# KiCad board analog_frontend_panel.kicad_pcb (continued)
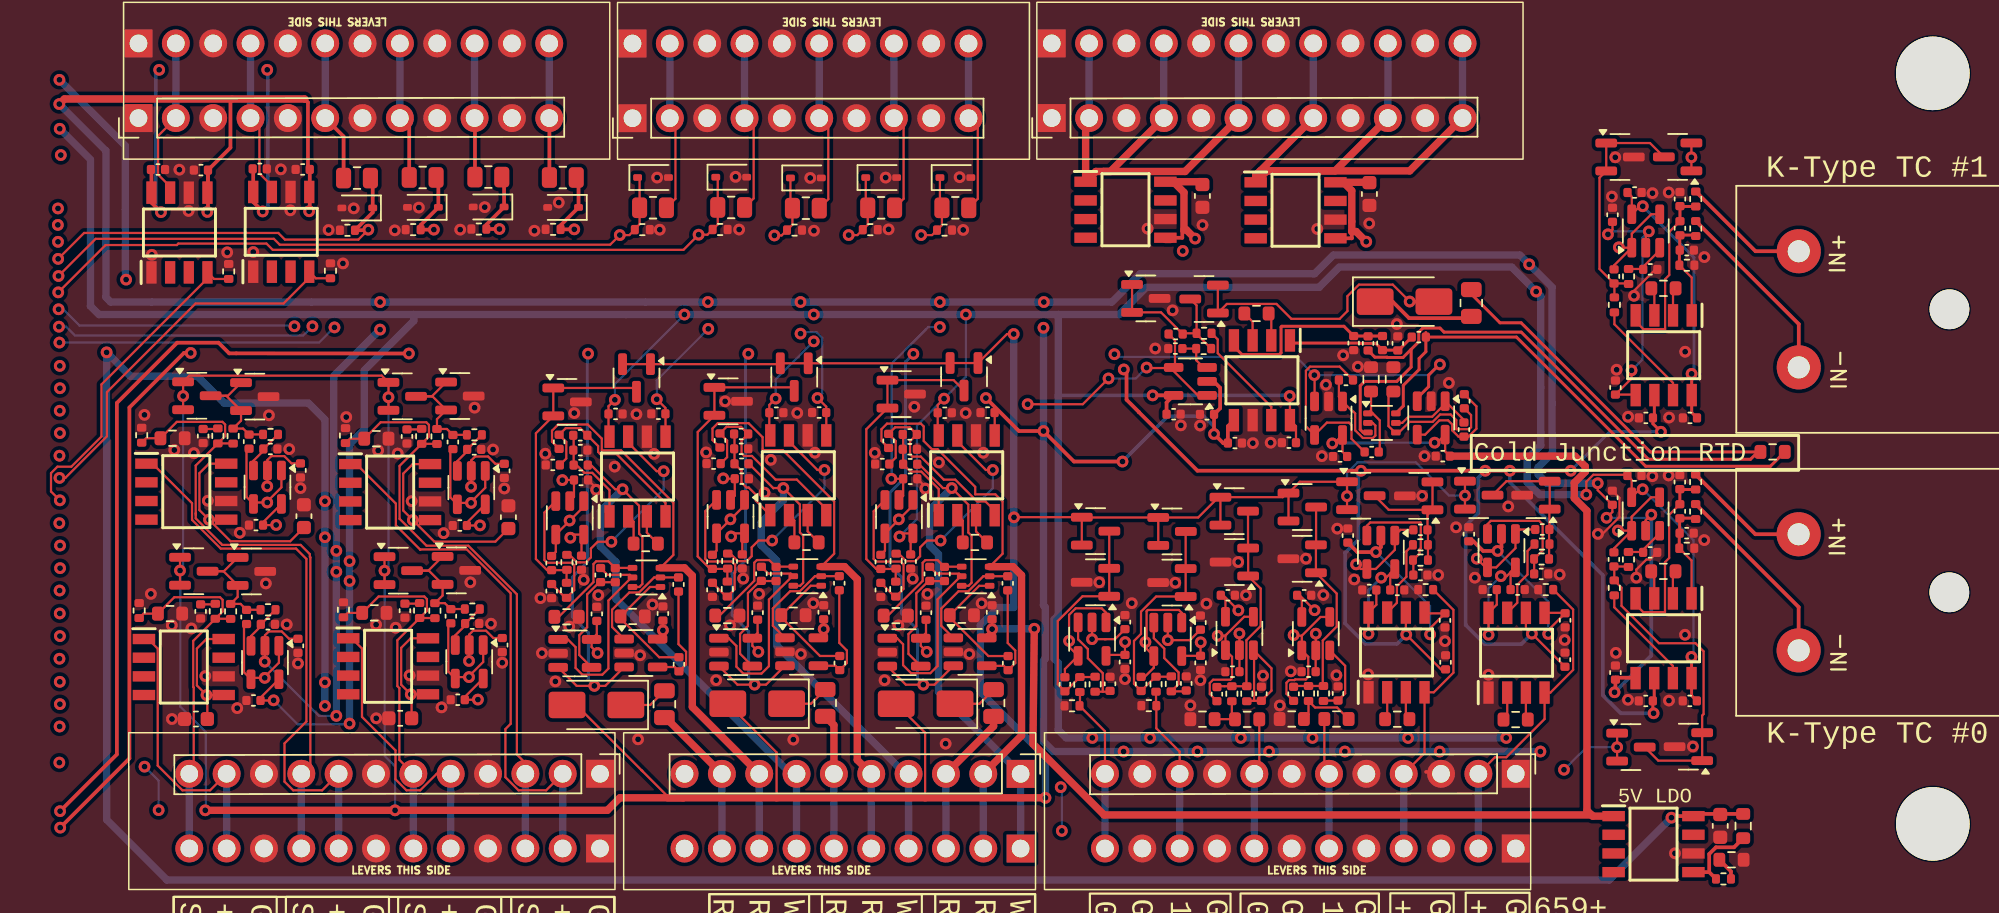
[diagram p0: board, top side]
## Library data of the parts (continued)
Q5001 Q5002 Q8001 Q8002 Q9001 Q9002 Q14001 Q14002 Q15001 Q15002 Q16001 Q16002 Q17001 Q17002 Q18001 Q18002 Q20001 Q20002 Q21001 Q21002 Q24001 Q24002 Q25001 Q25002 Q28001 Q28002 Q30001 Q30002 Q31001 Q31002 Q42001 Q42002 = -: Datasheet: https://www.onsemi.com/pub/Collateral/MMBFJ113-D.PDF; Description: 2mA min, 35V, 100mOhm max, 0.5-3V Vgs(off), N-Channel JFET, SOT-23; LCSC: C891686; ki_fp_filters: SOT?23*
R1 = -: Description: Resistor, small US symbol; LCSC: C141518; ki_fp_filters: R_*
R2 R7 = -: LCSC: C25077; ki_fp_filters: R_*
R3 R8 = -: Datasheet: C25077; ki_fp_filters: R_*
R4 R9 R41-R43 R50-R52 R59-R61 R68-R70 R10001 R11001 R12001 R13001 R19001 R22001 R26001 R27001 R27003 R31002 R32004 R33003 R34001 R37001 R38002 R39002 R39004 R40002 R42002 R44003 R44004 R45001 R45002 R46001 R46002 R47001 R47002 = -: ki_fp_filters: R_*
R6 R11 R40 R49 R58 R67 R23002 R31001 R45003 = -: LCSC: C346578; ki_fp_filters: R_*
R22 R24 R26 R28 = -: LCSC: C25087; ki_fp_filters: R_*
R23 R25 R27 R29 R32003 = -: LCSC: C2482496; ki_fp_filters: R_*
R44 R47 R53 R56 R62 R65 R71 R74 R23001 R45004 = -: LCSC: C2482678; ki_fp_filters: R_*
R1001 R5001 R5002 R8001 R8002 R9001 R9002 = -: LCSC: C25744; ki_fp_filters: R_*
R1002 = -: Description: Resistor, small symbol; LCSC: C23196; ki_fp_filters: R_*
R1003 = -: Description: Resistor, small symbol; LCSC: C23351; ki_fp_filters: R_*
R14001 R14002 R20001 R20002 = -: LCSC: C25741; ki_fp_filters: R_*
R15001 R15002 R16001 R16002 R17001 R17002 R18001 R18002 R21001 R21002 R24001 R24002 R25001 R25002 R30001 R30002 R32001 R32002 R33001 R33002 R44001 R44002 = -: LCSC: C25890; ki_fp_filters: R_*
R19002 R26002 R27002 R33004 R38001 R39001 R39003 R40001 R42001 = -: LCSC: C17720; ki_fp_filters: R_*
U1-U4 = -: LCSC: C190019
U5001 U8001 U9001 U14002 U15001 U16001 U17001 U18001 U20002 U21001 U24001 U25001 U28001 U30001 U31001 U42002 = -: Datasheet: http://www.ti.com/lit/ds/symlink/opa4196.pdf; Description: Single, Low-Power, Low Offset Voltage, Rail-to-Rail Operational Amplifier, SOT-23-5; ki_fp_filters: SOT?23*

## Footprints (pads in the part's own frame, mm; a bottom-side part is the same pattern mirrored in y, then rotated)
AM-K-PCB
  round 2.7 hole 2.7 unplated: (0,-4)
  round 3 hole 1.5: 1(3.95,-14.25) 2(-3.95,-14.25)
C_0402_1005Metric
  rrect 0.56x0.62 smd: 1(-0.48,0) 2(0.48,0)
C_0603_1608Metric
  rrect 0.9x0.95 smd: 1(-0.775,0) 2(0.775,0)
D_SMA
  rrect 2.5x1.8 smd: 1(-2,0) 2(2,0)
D_SOD-323
  rrect 0.6x0.45 smd: 1(-1.05,0) 2(1.05,0)
KF141V-2.54-10P
  rect 1.9x1.9 hole 1.2: 1(0,0) 1(5.08,0)
  oval 1.9x1.9 hole 1.2: 2(0,-2.54) 2(5.08,-2.54) 3(0,-5.08) 3(5.08,-5.08) 4(0,-7.62) 4(5.08,-7.62) 5(0,-10.16) 5(5.08,-10.16) 6(0,-12.7) 6(5.08,-12.7) 7(0,-15.24) 7(5.08,-15.24) 8(0,-17.78) 8(5.08,-17.78) 9(0,-20.32) 9(5.08,-20.32) 10(0,-22.86) 10(5.08,-22.86)
KF141V-2.54-12P
  rect 1.9x1.9 hole 1.2: 1(0,0) 1(5.08,0)
  oval 1.9x1.9 hole 1.2: 2(0,-2.54) 2(5.08,-2.54) 3(0,-5.08) 3(5.08,-5.08) 4(0,-7.62) 4(5.08,-7.62) 5(0,-10.16) 5(5.08,-10.16) 6(0,-12.7) 6(5.08,-12.7) 7(0,-15.24) 7(5.08,-15.24) 8(0,-17.78) 8(5.08,-17.78) 9(0,-20.32) 9(5.08,-20.32) 10(0,-22.86) 10(5.08,-22.86) 11(0,-25.4) 11(5.08,-25.4) 12(0,-27.94) 12(5.08,-27.94)
MountingHole_5mm
  round 5 hole 5 unplated: (0,0)
R_0402_1005Metric
  rrect 0.54x0.64 smd: 1(-0.51,0) 2(0.51,0)
R_0603_1608Metric
  rrect 0.8x0.95 smd: 1(-0.825,0) 2(0.825,0)
R_0805_2012Metric
  rrect 1.025x1.4 smd: 1(-0.912,0) 2(0.912,0)
SOIC127P600X175-8N
  rect 1.525x0.7 smd: 1(-2.712,1.905) 2(-2.712,0.635) 3(-2.712,-0.635) 4(-2.712,-1.905) 5(2.712,-1.905) 6(2.712,-0.635) 7(2.712,0.635) 8(2.712,1.905)
SOT-23
  rrect 1.475x0.6 smd: 1(-0.938,0.95) 2(-0.938,-0.95) 3(0.938,0)
SOT-23-5
  rrect 1.325x0.6 smd: 1(-1.137,0.95) 2(-1.137,0) 3(-1.137,-0.95) 4(1.137,-0.95) 5(1.137,0.95)
SOT-363_SC-70-6
  rrect 0.65x0.4 smd: 1(-0.95,0.65) 2(-0.95,0) 3(-0.95,-0.65) 4(0.95,-0.65) 5(0.95,0) 6(0.95,0.65)

## Nets
+1V024: C6.2 C12.2 C33006.2 C34003.2 IC1.6 IC2.6 IC31001.6 IC32002.6
+2V5: IC13.3 IC14.3 IC16.3 IC17.3 IC19.3 IC20.3 IC22.3 IC23.3
+3V3: C1003.2 D7.2 D8.2 D9.2 D10.2 IC1001.5 IC1001.8 Q5001.1 Q5001.2 Q8001.1 Q8001.2 Q9001.1 Q9001.2 Q14001.1 Q14001.2 Q15001.1 Q15001.2 Q16001.1 Q16001.2 Q17001.1 Q17001.2 Q18001.1 Q18001.2 Q20001.1 Q20001.2 Q21001.1 Q21001.2 Q24001.1 Q24001.2 Q25001.1 Q25001.2 Q28001.1 Q28001.2 Q30001.1 Q30001.2 Q31001.1 Q31001.2 Q42001.1 Q42001.2
+5V: C55.1 C58.1 C66.1 C69.1 C77.1 C80.1 C88.1 C91.1 IC13.5 IC14.5 IC16.5 IC17.5 IC19.5 IC20.5 IC22.5 IC23.5 IC1002.1
+12V: C4.1 C10.1 C52.1 C63.1 C74.1 C85.1 C1002.2 C5003.2 C8003.2 C9003.2 C14003.2 C15003.2 C16003.2 C17003.2 C18003.2 C20003.2 C21003.2 C24003.2 C25003.2 C28001.2 C30003.2 C31001.2 C31002.2 C32005.2 C34002.2 C37001.2 C42002.2 IC1.8 IC2.8 IC12.8 IC15.8 IC18.8 IC21.8 IC1003.5 IC1003.8 IC31001.8 IC32002.8 IC34002.8 IC37001.8 U5001.5 U8001.5 U9001.5 U14002.5 U15001.5 U16001.5 U17001.5 U18001.5 U20002.5 U21001.5 U24001.5 U25001.5 U28001.5 U30001.5 U31001.5 U42002.5
+24V: C1001.2 C10001.2 C11001.2 C12001.2 C13001.2 IC1002.8 IC32001.5 IC32001.8 IC33001.5 IC33001.8 IC34001.5 IC34001.8 IC35001.5 IC35001.8 R1003.2
-12V: C5004.2 C6001.2 C7001.2 C8004.2 C9004.2 C14004.2 C15004.2 C16004.2 C17004.2 C18004.2 C20004.2 C21004.2 C24004.2 C25004.2 C28002.2 C30004.2 C31003.2 C32006.2 C33007.2 C34004.2 C39003.2 C42003.2 C44004.1 C45002.1 C46001.1 C47001.1 IC1.5 IC2.5 IC12.5 IC15.5 IC18.5 IC21.5 IC31001.5 IC32002.5 IC34002.5 IC37001.5 U5001.2 U8001.2 U9001.2 U14002.2 U15001.2 U16001.2 U17001.2 U18001.2 U20002.2 U21001.2 U24001.2 U25001.2 U28001.2 U30001.2 U31001.2 U42002.2
/ain_0-15V_1/sallen_key_3kHz8/VIN: R23001.1 R23002.1 R24001.1
/ain_0-15V_1/VIN: J1005.6 R23001.2
/ain_0-15V_/sallen_key_3kHz8/VIN: R44001.1 R45003.1 R45004.1
/ain_0-15V_/VIN: J1005.8 R45004.2
/ain_g1_1/VIN: J1005.10 R22001.1 R25001.1
/ain_g1_/VIN: J1005.12 R21001.1 R27003.1
/ain_g25p7_/sallen_key_1kHz2/VIN: IC31001.7 R9001.1
/ain_g25p7_/VIN: IC31001.4 J1005.4 R31002.1
/ain_g666p333_/sallen_key_100Hz1/VIN: IC32002.7 R14001.2
/ain_g666p333_/VIN: IC32002.4 J1005.2 R32004.1
/K-Type TC Amp1/sallen_key_1kHz/VIN: IC2.7 R8001.1
/K-Type TC Amp/sallen_key_1kHz/VIN: IC1.7 R5001.1
/pwm_in_buf1/VIN: J1003.2 R38001.1
/pwm_in_buf2/VIN: J1003.10 R39003.1
/pwm_in_buf3/VIN: J1003.8 R40001.1
/pwm_in_buf4/VIN: J1003.6 R42001.1
/pwm_in_buf/VIN: J1003.4 R39001.1
GND: C1.2 C3.2 C4.2 C6.1 C7.2 C9.2 C10.2 C12.1 C25.2 C28.2 C31.2 C34.2 C49.1 C51.2 C52.2 C55.2 C58.2 C60.1 C62.2 C63.2 C66.2 C69.2 C71.1 C73.2 C74.2 C77.2 C80.2 C82.1 C84.2 C85.2 C88.2 C91.2 C1001.1 C1002.1 C1003.1 C5001.1 C5003.1 C5004.1 C6001.1 C7001.1 C8001.1 C8003.1 C8004.1 C9001.1 C9003.1 C9004.1 C10001.1 C11001.1 C12001.1 C13001.1 C14001.1 C14003.1 C14004.1 C15001.1 C15003.1 C15004.1 C16001.1 C16003.1 C16004.1 C17001.1 C17003.1 C17004.1 C18001.1 C18003.1 C18004.1 C20001.1 C20003.1 C20004.1 C21001.1 C21003.1 C21004.1 C24001.1 C24003.1 C24004.1 C25001.1 C25003.1 C25004.1 C28001.1 C28002.1 C30001.1 C30003.1 C30004.1 C31001.1 C31002.1 C31003.1 C32002.1 C32005.1 C32006.1 C33002.1 C33006.1 C33007.1 C34002.1 C34003.1 C34004.1 C37001.1 C39003.1 C42002.1 C42003.1 C44001.1 C44004.2 C45002.2 C46001.2 C47001.2 D19001.2 D26001.2 D27001.2 D33001.2 D38001.2 D39001.2 D39002.2 D40001.2 D42001.2 IC12.6 IC13.2 IC14.2 IC15.6 IC16.2 IC17.2 IC18.6 IC19.2 IC20.2 IC21.6 IC22.2 IC23.2 IC1001.6 IC1002.6 IC1003.6 IC31001.1 IC32001.6 IC32002.1 IC33001.6 IC34001.6 IC34002.1 IC34002.6 IC35001.6 IC37001.1 IC37001.6 J1001.1 J1001.3 J1001.5 J1001.7 J1001.9 J1001.11 J1003.1 J1003.3 J1003.5 J1003.7 J1003.9 J1004.1 J1004.4 J1004.7 J1004.10 J1005.1 J1005.3 J1005.5 J1005.7 J1005.9 J1005.11 J1007.1 J1007.3 J1007.5 J1007.7 J1007.9 J1007.11 Q5002.3 Q8002.3 Q9002.3 Q14002.3 Q15002.3 Q16002.3 Q17002.3 Q18002.3 Q20002.3 Q21002.3 Q24002.3 Q25002.3 Q28002.3 Q30002.3 Q31002.3 Q42002.3 R4.2 R9.2 R23.1 R25.1 R27.1 R29.1 R44.2 R47.2 R53.2 R56.2 R62.2 R65.2 R71.2 R74.2 R1002.1 R10001.2 R11001.2 R12001.2 R13001.2 R19001.2 R22001.2 R23002.2 R26001.2 R27001.2 R27003.2 R31002.2 R32004.2 R33003.2 R34001.2 R37001.2 R38002.2 R39002.2 R39004.2 R40002.2 R42002.2 R45003.2
/4-20mA Frontend1/+24_EXC: IC33001.1 J1004.8
/4-20mA Frontend1/SIGNAL: J1004.9 R24.2 R25.2 R11001.1 R30001.1
/4-20mA Frontend2/+24_EXC: IC34001.1 J1004.5
/4-20mA Frontend2/SIGNAL: J1004.6 R26.2 R27.2 R12001.1 R32001.1
/4-20mA Frontend3/+24_EXC: IC35001.1 J1004.2
/4-20mA Frontend3/SIGNAL: J1004.3 R28.2 R29.2 R13001.1 R33001.1
/4-20mA Frontend/+24_EXC: IC32001.1 J1004.11
/4-20mA Frontend/SIGNAL: J1004.12 R22.2 R23.2 R10001.1 R16001.1
/AIN2: C20002.2 U20002.1 U20002.4
/AIN3: C16002.2 U16001.1 U16001.4
/AIN4: C30002.2 U28001.1 U28001.4
/AIN5: C32003.2 U30001.1 U30001.4
/AIN6: C33003.2 U31001.1 U31001.4
/AIN7: C15002.2 U15001.1 U15001.4
/AIN8: C17002.2 U17001.1 U17001.4
/AIN9: C18002.2 U18001.1 U18001.4
/AIN10: C5002.2 U5001.1 U5001.4
/AIN11: C8002.2 U8001.1 U8001.4
/AIN12: C21002.2 U21001.1 U21001.4
/AIN13_DAC0: IC37001.4 R37001.1
/AIN14_DAC1: IC34002.4 R34001.1
/AIN15: C25002.2 U25001.1 U25001.4
/AIN16: C44002.2 U42002.1 U42002.4
/AIN17: C24002.2 U24001.1 U24001.4
/AIN18: C9002.2 U9001.1 U9001.4
/AIN19: C14002.2 U14002.1 U14002.4
/COUNTER0: D42001.1 R42001.2 R42002.1
/dac_buf1/VOUT: IC34002.7 J1001.4
/dac_buf/VOUT: IC37001.7 J1001.2
/ENCODER0_0: D38001.1 R38001.2 R38002.1
/ENCODER0_1: D39001.1 R39001.2 R39002.1
/FREQ0: D40001.1 R40001.2 R40002.1
/FREQ1: D39002.1 R39003.2 R39004.1
/K-Type TC Amp1/Signal+: C7.1 C8.1 IC2.4 R7.2
/K-Type TC Amp1/Signal-: C8.2 C9.1 IC2.1 R8.1 R9.1
/K-Type TC Amp/Signal+: C1.1 C2.1 IC1.4 R2.2
/K-Type TC Amp/Signal-: C2.2 C3.1 IC1.1 R3.1 R4.1
/PWM0: D33001.1 R33003.1 R33004.1
/PWM1: D19001.1 R19001.1 R19002.1
/PWM2: D26001.1 R26001.1 R26002.1
/PWM3: D27001.1 R27001.1 R27002.1
/pwm_out_buf1/VOUT: J1001.8 R19002.2
/pwm_out_buf2/VOUT: J1001.10 R26002.2
/pwm_out_buf3/VOUT: J1001.12 R27002.2
/pwm_out_buf/VOUT: J1001.6 R33004.2
/RTD Amp1/R+: J1006.6 R59.2
/RTD Amp1/R-: J1006.5 R60.2 U3.3
/RTD Amp1/rtd_amp_inner/Signal+: C71.2 C72.1 IC18.4 R60.1
/RTD Amp1/rtd_amp_inner/Signal-: C72.2 C73.1 IC18.1 R61.1
/RTD Amp1/rtd_amp_inner/Vout: IC18.7 R17001.1
/RTD Amp1/W-: J1006.4 R61.2 U3.6
/RTD Amp2/R+: J1006.3 R68.2
/RTD Amp2/R-: J1006.2 R69.2 U4.3
/RTD Amp2/rtd_amp_inner/Signal+: C82.2 C83.1 IC21.4 R69.1
/RTD Amp2/rtd_amp_inner/Signal-: C83.2 C84.1 IC21.1 R70.1
/RTD Amp2/rtd_amp_inner/Vout: IC21.7 R18001.1
/RTD Amp2/W-: J1006.1 R70.2 U4.6
/RTD Amp/R+: J1006.9 R41.2
/RTD Amp/R-: J1006.8 R42.2 U1.3
/RTD Amp/rtd_amp_inner/Signal+: C49.2 C50.1 IC12.4 R42.1
/RTD Amp/rtd_amp_inner/Signal-: C50.2 C51.1 IC12.1 R43.1
/RTD Amp/rtd_amp_inner/Vout: IC12.7 R15001.1
/RTD Amp/W-: J1006.7 R43.2 U1.6
/rtd_amp_inner1/250uA_SINK_1: R1.1 R52.2 U2.6
/rtd_amp_inner1/250uA_SINK_2: R1.2 R50.2 R51.2 U2.3
/rtd_amp_inner1/Signal+: C60.2 C61.1 IC15.4 R51.1
/rtd_amp_inner1/Signal-: C61.2 C62.1 IC15.1 R52.1
/rtd_amp_inner1/Vout: IC15.7 R20002.2
Net-(C25-Pad1): C25.1 R22.1
Net-(C28-Pad1): C28.1 R24.1
Net-(C31-Pad1): C31.1 R26.1
Net-(C34-Pad1): C34.1 R28.1
Net-(D7-K): D7.1 R41.1
Net-(D8-K): D8.1 R50.1
Net-(D9-K): D9.1 R59.1
Net-(D10-K): D10.1 R68.1
Net-(IC1-RG_1): IC1.2 R6.1
Net-(IC1-RG_2): IC1.3 R6.2
Net-(IC2-RG_1): IC2.2 R11.1
Net-(IC2-RG_2): IC2.3 R11.2
Net-(IC12-RG_1): IC12.2 R40.1
Net-(IC12-RG_2): IC12.3 R40.2
Net-(IC13--IN): C45003.1 IC13.4 R45001.2
Net-(IC13-OUT): C45003.2 IC13.1 U1.2
Net-(IC14--IN): C45004.1 IC14.4 R45002.1
Net-(IC14-OUT): C45004.2 IC14.1 U1.5
Net-(IC15-RG_1): IC15.2 R49.1
Net-(IC15-RG_2): IC15.3 R49.2
Net-(IC16--IN): C44005.1 IC16.4 R44003.2
Net-(IC16-OUT): C44005.2 IC16.1 U2.2
Net-(IC17--IN): C44006.1 IC17.4 R44004.1
Net-(IC17-OUT): C44006.2 IC17.1 U2.5
Net-(IC18-RG_1): IC18.2 R58.1
Net-(IC18-RG_2): IC18.3 R58.2
Net-(IC19--IN): C46002.1 IC19.4 R46001.2
Net-(IC19-OUT): C46002.2 IC19.1 U3.2
Net-(IC20--IN): C46003.1 IC20.4 R46002.1
Net-(IC20-OUT): C46003.2 IC20.1 U3.5
Net-(IC21-RG_1): IC21.2 R67.1
Net-(IC21-RG_2): IC21.3 R67.2
Net-(IC22--IN): C47002.1 IC22.4 R47001.2
Net-(IC22-OUT): C47002.2 IC22.1 U4.2
Net-(IC23--IN): C47003.1 IC23.4 R47002.1
Net-(IC23-OUT): C47003.2 IC23.1 U4.5
Net-(IC1001-VO): IC1001.1 J1007.2 J1007.4 J1007.6
Net-(IC1002-ADJ_/_EN): IC1002.5 R1001.1 R1003.1
Net-(IC1003-VO): IC1003.1 J1007.8 J1007.10 J1007.12
Net-(IC31001-RG_1): IC31001.2 R31001.1
Net-(IC31001-RG_2): IC31001.3 R31001.2
Net-(IC32002-RG_1): IC32002.2 R32003.1
Net-(IC32002-RG_2): IC32002.3 R32003.2
Net-(J12-Pin_1): J12.1 R3.2
Net-(J12-Pin_2): J12.2 R2.1
Net-(J13-Pin_1): J13.1 R8.2
Net-(J13-Pin_2): J13.2 R7.1
Net-(Q5001-G): C5002.1 Q5001.3 Q5002.1 Q5002.2 R5001.2 R5002.1
Net-(Q8001-G): C8002.1 Q8001.3 Q8002.1 Q8002.2 R8001.2 R8002.1
Net-(Q9001-G): C9002.1 Q9001.3 Q9002.1 Q9002.2 R9001.2 R9002.1
Net-(Q14001-G): C14002.1 Q14001.3 Q14002.1 Q14002.2 R14001.1 R14002.2
Net-(Q15001-G): C15002.1 Q15001.3 Q15002.1 Q15002.2 R15001.2 R15002.1
Net-(Q16001-G): C16002.1 Q16001.3 Q16002.1 Q16002.2 R16001.2 R16002.1
Net-(Q17001-G): C17002.1 Q17001.3 Q17002.1 Q17002.2 R17001.2 R17002.1
Net-(Q18001-G): C18002.1 Q18001.3 Q18002.1 Q18002.2 R18001.2 R18002.1
Net-(Q20001-G): C20002.1 Q20001.3 Q20002.1 Q20002.2 R20001.2 R20002.1
Net-(Q21001-G): C21002.1 Q21001.3 Q21002.1 Q21002.2 R21001.2 R21002.1
Net-(Q24001-G): C24002.1 Q24001.3 Q24002.1 Q24002.2 R24001.2 R24002.1
Net-(Q25001-G): C25002.1 Q25001.3 Q25002.1 Q25002.2 R25001.2 R25002.1
Net-(Q28001-G): C30002.1 Q28001.3 Q28002.1 Q28002.2 R30001.2 R30002.1
Net-(Q30001-G): C32003.1 Q30001.3 Q30002.1 Q30002.2 R32001.2 R32002.1
Net-(Q31001-G): C33003.1 Q31001.3 Q31002.1 Q31002.2 R33001.2 R33002.1
Net-(Q42001-G): C44002.1 Q42001.3 Q42002.1 Q42002.2 R44001.2 R44002.1
Net-(R1001-Pad2): R1001.2 R1002.2
Net-(U1-S1): R44.1 R45001.1 U1.1
Net-(U1-S2): R47.1 R45002.2 U1.4
Net-(U2-S1): R53.1 R44003.1 U2.1
Net-(U2-S2): R56.1 R44004.2 U2.4
Net-(U3-S1): R62.1 R46001.1 U3.1
Net-(U3-S2): R65.1 R46002.2 U3.4
Net-(U4-S1): R71.1 R47001.1 U4.1
Net-(U4-S2): R74.1 R47002.2 U4.4
Net-(U5001-+): C5001.2 R5002.2 U5001.3
Net-(U8001-+): C8001.2 R8002.2 U8001.3
Net-(U9001-+): C9001.2 R9002.2 U9001.3
Net-(U14002-+): C14001.2 R14002.1 U14002.3
Net-(U15001-+): C15001.2 R15002.2 U15001.3
Net-(U16001-+): C16001.2 R16002.2 U16001.3
Net-(U17001-+): C17001.2 R17002.2 U17001.3
Net-(U18001-+): C18001.2 R18002.2 U18001.3
Net-(U20002-+): C20001.2 R20001.1 U20002.3
Net-(U21001-+): C21001.2 R21002.2 U21001.3
Net-(U24001-+): C24001.2 R24002.2 U24001.3
Net-(U25001-+): C25001.2 R25002.2 U25001.3
Net-(U28001-+): C30001.2 R30002.2 U28001.3
Net-(U30001-+): C32002.2 R32002.2 U30001.3
Net-(U31001-+): C33002.2 R33002.2 U31001.3
Net-(U42002-+): C44001.2 R44002.2 U42002.3

Pads without a net: IC1001 2 3 4 7; IC1002 2 3 4 7; IC1003 2 3 4 7; IC32001 2 3 4 7; IC33001 2 3 4 7; IC34001 2 3 4 7; IC34002 2 3; IC35001 2 3 4 7; IC37001 2 3; J1006 10

## Via types
v1: diameter 0.8, hole 0.4, Top to Bottom, 392 vias

## Routing (per net, layer and track width the routed paths; a pad name or vN(x,y) marks a point on that pad's centre or on a via; arc(x,y) is an arc through that point)
+1V024: length 213.4
  Top w0.15: C33006.2 88.6,14.25 v1(86.23,16.62) 86.21,16.64 IC31001.6 ; C34003.2 v1(94.78,16.68) 94.37,17.09 IC32002.6
  Top w0.2: v1(103.56,30.42) 103.01,30.96 C12.2 103.11,31.45 IC2.6 ; v1(103.06,11.27) 103.01,11.32 C6.2 103.1,12.2 IC1.6
  Top w0.25: v1(97.42,27.77) v1(93.28,27.77) v1(91.61,27.77) v1(83.16,27.77) 72.03,27.77 68.05,31.75 68.05,31.76 67.21,32.6 67.21,34.47 v1(67.02,34.65) ; v1(-5.33,3.49) -0.62,8.19 -0.62,32.07 3.09,35.78 v1(3.55,35.78)
  In2.Cu w0.15: v1(67.02,34.65) 67.23,34.87 67.23,36.12 67.06,36.29 46.51,36.29 46.21,35.99 42.19,35.99 41.85,36.33 4.1,36.33 v1(3.55,35.78)
  Bottom w0.2: 98.89,29.24 100.07,30.42 v1(103.56,30.42) ; 98.89,29.24 v1(97.42,27.77) ; 98.89,29.24 99.26,29.61
  Bottom w0.25: v1(91.61,27.77) 91.13,27.29 91.13,24.88 90.27,24.03 90.27,17.28 91.59,15.97 94.06,15.97 v1(94.78,16.68) ; v1(86.23,16.62) 85.61,15.99 83.46,15.99 82.07,17.38 82.07,22.21 82.11,22.21 82.98,23.08 82.98,27.59 v1(83.16,27.77) ; v1(93.28,27.77) 93.28,26.98 99.6,20.66 99.6,12.49 100.83,11.27 v1(103.06,11.27)
+2V5: length 215.7
  Top w0.15: 79.98,34.22 79.93,34.27 v1(79.98,34.27) 79.98,34.22 ; 79.98,34.22 80,34.2 IC16.3 ; IC20.3 40.74,13.21 v1(41.91,13.21) 42.69,13.21 IC19.3 ; IC22.3 54.14,13.21 v1(53.38,13.21) 52.2,13.21 IC23.3 ; IC14.3 29.81,13.13 v1(31.01,13.13) 31.75,13.13 IC13.3
  Top w0.2: IC17.3 86.98,32.71 87.76,33.48 87.76,34.27 88.47,34.99 v1(88.52,34.99) ; v1(52.71,35.71) 52.98,35.71 ; 66.36,35.71 v1(66.38,35.69)
  Top w0.25: v1(-5.34,4.61) -1.47,8.47 -1.47,32.37 2.63,36.48 5.44,36.48 6.17,35.75 6.64,35.75 v1(18.39,35.74)
  In2.Cu w0.2: v1(30.58,35.73) 30.6,35.71 v1(52.71,35.71) 66.36,35.71 v1(66.38,35.69)
  In2.Cu w0.25: v1(18.39,35.74) v1(30.58,35.73)
  Bottom w0.15: v1(66.38,35.69) 66.57,35.5 78.75,35.5 v1(79.98,34.27) 79.98,34.27 87.8,34.27 v1(88.52,34.99)
  Bottom w0.2: v1(53.38,13.21) 52.99,13.6 52.99,16.96 51.9,18.05 51.9,20.54 51.12,21.33 51.12,26.27 52.17,27.33 52.17,35.18 v1(52.71,35.71) ; v1(30.58,35.73) 30.53,35.68 30.53,21.54 29.51,20.52 29.51,17.84 30.6,16.75 30.6,13.54 v1(31.01,13.13) ; v1(41.91,13.21) 41.51,13.61 41.51,16.82 40.38,17.95 40.38,20.75 41.29,21.67 41.29,35.53 v1(41.48,35.72)
+3V3: length 494.6
  Top w0.15: Q28001.2 v1(3.03,32.85) Q28001.1 3.45,34.23 16.55,34.23 Q31001.1 v1(17,32.77) Q31001.2 ; 35.98,5.52 35.98,5.62 34.21,7.4 ; 34.21,7.4 29.77,11.83 D7.2 ; 34.21,7.4 34.3,7.31 ; Q25001.1 64.18,24.59 Q21001.1 ; Q25001.1 Q25001.2 ; Q25001.1 72.08,24.59 73.46,25.97 Q42001.1 ; D9.2 43.4,8.6 43.4,5.52 ; Q14001.1 v1(90.23,26.08) Q14001.2 ; Q30001.1 v1(16.73,20.97) Q30001.2 ; Q16001.1 v1(2.82,20.98) Q16001.2 ; Q20001.2 Q20001.1 74.03,39.11 77.41,39.11 78.42,38.1 81.7,38.1 82.23,38.63 82.23,39.64 83.02,40.43 85.32,40.43 v1(86.47,39.28) ; Q24001.1 Q24001.2 ; Q24001.1 78.99,27.02 Q9001.1 v1(82.2,26.03) Q9001.2 ; Q24001.1 78.11,26.25 77.83,25.97 Q42001.1 ; Q5001.1 v1(100.58,8.96) Q5001.2 ; Q21001.2 Q21001.1 ; Q21001.1 59.56,24.61 v1(59.55,24.59) ; D10.2 53.51,9.95 53.51,5.52 53.51,5.52 ; Q42001.2 Q42001.1 ; Q8001.1 v1(105.63,49.09) Q8001.2 ; v1(59.53,37.07) 59.08,37.07 Q18001.1 Q18001.2 55.18,35.07 Q17001.1 Q17001.2 43.59,35.01 Q15001.1 Q15001.2
  Top w0.25: IC1001.5 71,43.61 71,44.04 71.11,44.16 ; 69.82,43.37 70.23,43.37 ; v1(86.47,39.28) 86.47,39.27 D8.2
  Top w0.5: 37.05,5.52 35.98,5.52 ; 37.05,5.52 32.74,5.52 31.89,4.67 v1(17.45,4.67) v1(4.54,4.67) ; 37.05,5.52 v1(61.69,5.52) ; v1(71.87,43.56) 71.27,44.16 71.11,44.16 71.11,46.7 70.39,47.42 IC1001.8 72.18,47.42 C1003.2
  In2.Cu w0.15: v1(96.96,7.43) 95.05,5.52 v1(61.69,5.52) ; v1(86.47,39.28) 76.15,39.28 73.9,41.53 72.22,41.53 v1(71.03,42.72) ; v1(71.87,43.56) 72.71,42.72 94.89,42.72 101.26,49.09 v1(105.63,49.09)
  In2.Cu w0.5: v1(59.53,37.07) 59.51,37.09 59.51,44.32 ; v1(71.87,43.56) v1(71.03,42.72) 70.48,42.17 61.66,42.17 59.51,44.32 ; 59.51,44.32 59.51,52.6 58.21,53.9 -0.79,53.9 -5.29,49.4 v1(-5.29,49.24) ; v1(61.69,5.52) 61.72,5.49
  Bottom w0.15: v1(4.54,4.67) 4.58,4.7 4.58,9.99 2.84,11.73 2.84,20.96 v1(2.82,20.98) 3.03,21.19 v1(3.03,32.85) ; v1(17,32.77) 17,21.24 v1(16.73,20.97) 16.75,20.95 16.75,8.36 17.45,7.66 v1(17.45,4.67) ; v1(90.23,26.08) 89.14,26.08 86.88,28.34 82.92,28.34 82.2,27.63 v1(82.2,26.03) ; v1(100.58,8.96) 98.49,8.96 v1(96.96,7.43)
  Bottom w0.5: v1(59.53,37.07) 59.53,18.46 58.47,18.46 57.26,17.25 57.26,12.72 61.69,8.29 v1(61.69,5.52)
+5V: length 151.8
  Top w0.15: IC13.5 35.67,16.67 v1(35.67,16.91) C55.1 ; C77.1 v1(46.61,16.99) 46.61,16.76 IC19.5 ; C69.1 88.88,29.08 IC17.5 88.33,29.67 v1(88.16,29.67) ; C58.1 31.17,16.64 IC14.5 30.82,15.77 v1(31.23,15.36) ; v1(42.16,15.45) 41.76,15.85 IC20.5 42.11,16.73 C80.1 ; C91.1 53.57,16.73 IC23.5 53.21,15.85 v1(53.62,15.44) ; v1(81.2,29.62) 81.32,29.62 IC16.5 81.9,29.05 C66.1 ; C88.1 v1(58.06,16.99) 57.7,16.63 IC22.5 58.06,16.76
  Top w0.5: 98.83,4.35 65.68,4.35 60.84,9.19 v1(60.93,17.02) 60.84,16.99 ; 98.83,4.35 98.52,4.66 98.52,25.04 97.66,25.9 97.66,26.94 98.41,27.69 98.41,28.06 97.71,28.76 C69.1 ; 98.83,4.35 98.91,4.27 IC1002.1
  In2.Cu w0.15: v1(35.67,16.91) 32.77,16.91 v1(31.23,15.36) ; v1(42.16,15.45) 43.71,16.99 v1(46.61,16.99) ; v1(58.06,16.99) 56.94,15.87 54.04,15.87 v1(53.62,15.44)
  In2.Cu w0.5: v1(35.67,16.91) 36.08,16.5 42.31,16.5 42.78,16.97 47.51,16.97 47.98,16.49 57.57,16.49 v1(58.06,16.99)
  Bottom w0.15: v1(88.16,29.67) 81.25,29.67 v1(81.2,29.62) 83.96,29.62
  Bottom w0.5: v1(58.06,16.99) 58.09,17.02 v1(60.93,17.02)
+12V: length 641.8
  Top w0.15: C14003.2 93.33,20.86 U14002.5 ; v1(84.53,20.49) 84.86,20.49 U9001.5 85.14,20.77 C9003.2 ; v1(51.76,23.29) 51.98,23.5 U18001.5 52.52,23.35 C18003.2 ; v1(43.34,32.67) 42.91,32.24 C74.1 42.91,30.24 IC18.8 ; v1(40.31,23.29) 40.52,23.51 U17001.5 41.07,23.35 C17003.2 ; C63.1 78.73,30.79 IC15.8 78.32,32.83 v1(78.31,32.85) ; v1(9.19,12.15) 9.18,12.14 C16003.2 8.3,12.33 U16001.5 ; v1(23.23,24.05) 23.22,24.04 C31002.2 22.34,24.23 U31001.5 ; U21001.5 65.88,15.24 C21003.2 67.1,16.1 v1(67.11,16.11) ; v1(102.32,45.76) 102.12,45.76 U8001.5 101.57,46.4 C8003.2 ; v1(9.36,24.08) 9.35,24.06 C28001.2 8.47,24.26 U28001.5 ; U25001.5 70.98,15.17 C25003.2 72.24,16.08 ; v1(92.67,20.59) 93.06,20.59 93.66,21.19 93.33,20.86 ; v1(23.09,12.2) 23.08,12.19 C30003.2 22.2,12.38 U30001.5 ; C32005.2 92.39,18.66 IC32002.8 v1(91.83,16.61) ; v1(29.37,23.21) 29.58,23.42 U15001.5 30.13,23.27 C15003.2 ; C31001.2 84.2,18.65 IC31001.8 83.67,16.68 ; v1(98.48,26.14) 98.48,27.02 98.96,27.49 101.22,27.49 C5003.2 101.57,27.15 U5001.5 102.11,26.5 v1(102.31,26.5) ; U24001.5 79.13,18.97 C24003.2 78.98,19.29 v1(80,18.28) ; v1(54.79,32.67) 54.36,32.24 C85.1 54.36,30.23 IC21.8 ; U42002.5 73.93,18.98 C42002.2 73.78,19.29 v1(74.81,18.27) ; IC12.8 31.97,30.15 C52.1 31.97,32.16 v1(32.4,32.59)
  Top w0.2: C4.1 105.64,12.47 IC1.8 105.64,15.1 v1(105.63,15.1) ; 106.01,31.36 105.65,31.72 IC2.8 105.65,34.35 v1(105.64,34.36)
  Top w0.25: IC1003.5 82.53,43.58 82.53,43.58 82.53,44.04 ; C34002.2 7.8,48.26 IC34002.8 7.8,46.04 v1(8.45,45.4) ; C20003.2 69.93,32.41 U20002.5 v1(68.98,32.89) ; C37001.2 0.88,48.22 IC37001.8 0.88,46 v1(1.53,45.35)
  Top w0.5: C1002.2 83.7,47.39 IC1003.8 81.96,47.39 82.53,46.82 82.53,44.04 82.82,44.04 v1(83.51,43.35)
  In2.Cu w0.15: v1(23.23,24.05) 22.12,22.94 16.96,22.94 16.51,23.39 15.58,23.39 14.36,22.17 v1(14.36,21.62) ; v1(32.4,32.59) 30.26,30.44 30.26,24.09 v1(29.37,23.21) ; v1(74.98,9.59) 74.31,10.26 74.31,17.76 v1(74.81,18.27) ; v1(102.32,45.76) 102.32,45.4 96.87,39.95 v1(95.07,39.95) ; v1(9.36,24.08) 10.8,24.08 11.99,22.88 11.99,21.45 13.17,20.27 v1(14.36,20.27) ; v1(91.83,16.61) 93.03,15.41 v1(93.03,9.59) ; v1(80,18.28) 79.5,17.78 79.5,9.94 v1(79.86,9.59) ; v1(14.36,10.56) 15.7,11.91 20.04,11.91 20.37,12.24 23.04,12.24 v1(23.09,12.2) ; v1(43.34,32.67) 41.49,30.83 41.49,24.48 v1(40.31,23.29) ; v1(72.25,16.09) 71.53,16.81 69.77,16.81 69.07,16.11 69.07,9.85 v1(68.81,9.59) 66.15,12.25 66.15,15.15 v1(67.11,16.11) ; 65,9.71 v1(64.88,9.59)
  In2.Cu w0.2: v1(83.66,16.67) 86.36,13.98 v1(86.36,9.59)
  In2.Cu w0.5: v1(83.51,43.35) 86.58,43.35 92.3,49.07 92.3,53.72 90.98,55.04 v1(8.76,55.04) v1(1.41,55.04) -1.16,55.04 -5.17,51.03 v1(-5.36,51.03) ; v1(45.93,38.39) v1(45.93,36.57)
  Bottom w0.15: v1(91.83,16.61) 91.83,19.75 v1(92.67,20.59) ; v1(37.13,38.39) 32.4,33.66 v1(32.4,32.59) ; v1(102.31,26.5) 105.77,23.05 105.77,15.24 v1(105.63,15.1) ; v1(9.19,12.15) 10.82,10.52 14.31,10.52 v1(14.36,10.56) ; v1(45.93,36.57) 43.34,33.97 v1(43.34,32.67) ; v1(56.28,38.39) 56.28,34.16 v1(54.79,32.67) 52.95,30.82 52.95,24.47 v1(51.76,23.29)
  Bottom w0.2: v1(105.64,34.36) 105.8,34.52 105.8,42.27 v1(102.32,45.76) ; v1(84.53,20.49) 83.66,19.62 v1(83.66,16.67)
  Bottom w0.25: v1(78.31,32.85) 78.26,32.89 v1(68.98,32.89) 62.61,32.89 62.56,32.84 ; v1(1.41,55.04) 1.17,54.8 1.17,45.71 v1(1.53,45.35) ; v1(8.45,45.4) 8.79,45.75 8.79,55 v1(8.76,55.04)
  Bottom w0.5: 18.73,38.39 v1(37.13,38.39) v1(45.93,38.39) v1(56.28,38.39) 62.56,38.39 ; 18.73,38.39 -2.69,38.39 -3.27,38.97 -3.27,48.94 v1(-5.36,51.03) ; 18.73,38.39 18.73,37.97 15.36,34.59 15.36,30.57 14.36,29.57 v1(14.36,21.62) v1(14.36,20.27) v1(14.36,10.56) ; v1(98.48,26.14) 95.31,26.14 94.46,26.99 94.46,28.56 95.38,29.49 95.38,39.64 v1(95.07,39.95) 93.41,41.62 81.68,41.62 80.31,40.24 68.56,40.24 66.71,38.39 62.56,38.39 ; 62.56,38.39 62.56,17.93 62.28,17.65 62.28,14.98 62.56,14.71 62.56,10.14 63.11,9.59 v1(64.88,9.59) v1(68.81,9.59) v1(74.98,9.59) v1(79.86,9.59) v1(86.36,9.59) v1(93.03,9.59)
+24V: length 278.7
  Top w0.15: v1(4.8,24.43) 4.85,24.38 ; v1(4.8,24.43) 6.26,22.97 10.32,22.97 C11001.2 ; v1(4.8,24.43) 4.14,25.09 4.14,27.6 4.79,28.25 IC33001.8 ; v1(4.8,24.43) 4.8,24.44 IC33001.5 ; IC34001.8 18.52,16.37 17.87,15.72 17.87,13.21 v1(18.52,12.56) ; v1(18.66,24.41) 18.66,24.41 IC35001.5 ; v1(18.66,24.41) 20.13,22.94 24.27,22.94 C13001.2 ; v1(18.66,24.41) 18.01,25.06 18.01,27.57 18.66,28.22 IC35001.8 ; C12001.2 18.58,12.5 v1(18.52,12.56) ; v1(18.52,12.56) 18.52,12.56 IC34001.5 ; v1(4.63,12.5) 4.63,12.51 IC32001.5 ; v1(4.63,12.5) 4.68,12.45 C10001.2 ; v1(4.63,12.5) 3.97,13.16 3.97,15.67 4.62,16.32 IC32001.8
  Top w0.25: 109.15,4.42 105.91,4.42 IC1002.8 104.38,4.27 v1(104.27,4.17)
  In2.Cu w0.15: v1(12.68,13.37) 13.49,12.56 v1(18.52,12.56) ; v1(12.68,23.24) 11.27,24.65 5.01,24.65 v1(4.8,24.43) ; v1(4.63,12.5) 4.84,12.72 11.72,12.72 v1(12.68,11.77) ; v1(18.66,24.41) 13.97,24.41 v1(12.68,25.69)
  In2.Cu w0.5: v1(-0.84,40.77) -0.84,37.14 v1(-2.17,35.82)
  Bottom w0.5: v1(12.68,11.77) v1(12.68,13.37) v1(12.68,23.24) v1(12.68,25.69) 12.68,31.24 11.56,32.37 5.83,32.37 4,34.2 -0.55,34.2 v1(-2.17,35.82) -2.17,4.03 1.93,-0.07 100.03,-0.07 v1(104.27,4.17) ; v1(-0.84,40.77) -0.89,40.82 -0.89,49.87 v1(-5.38,54.36)
-12V: length 554.6
  Top w0.15: C24004.2 80.07,15.53 U24001.2 80.08,16.81 80.07,16.83 ; v1(46.19,32.71) 46.78,32.12 C46001.1 46.78,31.72 IC18.5 ; v1(8.76,26.7) 8.77,26.72 U28001.2 8.77,28.5 9.03,28.76 9.91,28.76 10.41,28.26 C28002.2 ; v1(51.21,27.22) 51.21,27.22 C18004.2 52.01,26.06 U18001.2 ; 95.67,18.07 IC32002.5 97.01,18.1 C34004.2 95.89,16.92 v1(95.89,16.66) ; U8001.2 102.52,43.84 v1(102.73,44.05) ; v1(99.95,43.85) 100.26,44.16 C5004.2 ; 64.86,17.45 U21001.2 64.86,16.31 v1(64.86,16.31) 65.72,16.31 ; C16004.2 10.24,16.34 9.74,16.83 8.86,16.83 8.6,16.57 U16001.2 8.6,14.79 v1(8.59,14.78) ; U5001.2 102.52,24.39 v1(102.9,24.78) ; IC31001.5 87.53,18.06 C33007.2 87.86,17.05 v1(87.86,16.63) ; U17001.2 40.56,26.07 C17004.2 39.79,27.22 v1(39.77,27.25) ; v1(101.56,34.59) 101.56,34.04 C6001.2 101.8,32.95 IC2.5 ; 74.89,16.91 74.88,16.9 U42002.2 74.89,15.55 C42003.2 ; IC21.5 58.24,31.71 C47001.1 58.23,32.12 v1(57.64,32.71) ; 65.72,16.31 66.42,16.31 C21004.2 ; 65.72,16.31 65.83,16.31 ; v1(99.26,26.92) 99.26,26.44 C8004.2 100.25,24.96 v1(99.86,24.56) ; C25004.2 71.52,16.24 v1(70.01,16.24) U25001.2 70,17.44 ; v1(22.48,14.83) 22.5,14.84 U30001.2 22.5,16.62 22.76,16.88 23.64,16.88 24.13,16.39 C30004.2 ; IC12.5 35.85,31.63 C45002.1 35.84,32.04 v1(35.25,32.63) ; C31003.2 24.27,28.24 23.78,28.73 22.9,28.73 22.64,28.47 U31001.2 22.64,26.69 v1(22.62,26.68) ; U15001.2 29.62,25.98 C15004.2 28.84,27.14 v1(28.83,27.12)
  Top w0.25: IC37001.5 4.72,46.71 4.72,48.2 ; C9004.2 82.9,22.23 v1(84.17,22.23) 84.5,22.56 U9001.2 ; 74.51,31.21 74.1,30.79 C44004.1 73.77,29.65 v1(73.16,30.27) ; v1(4.68,45.37) 4.73,45.41 C39003.2 6.25,49.74 6.25,52.95 6.36,53.05 ; 100.4,12.69 v1(100.4,12.7) 100.41,12.7 100.46,12.75 100.46,13.69 101.8,13.69 IC1.5 ; 73.21,30.04 73.16,30.09 v1(73.16,30.27) ; 92.73,23.49 U14002.2 92.71,22.57 v1(92.45,22.31) 91.46,22.31 90.8,22.97 C14004.2 ; v1(73.16,30.27) C20004.2 73.57,32.01 73.57,33.4 73.14,33.84 U20002.2 ; v1(57.64,32.71) 59.89,30.47 v1(61.56,30.47) 63.63,28.39 v1(66.93,28.39) ; 11.31,53.04 11.53,52.82 11.53,48.38 C32006.2 11.65,45.46 v1(11.61,45.42)
  Top w0.5: 11.31,53.04 11.29,53.05 -5.04,53.05 v1(-5.39,52.71)
  In2.Cu w0.15: v1(94.59,41.8) 96.64,43.85 v1(99.95,43.85) ; v1(87.86,16.63) 87.86,9.31 v1(88.51,8.67) ; v1(13.46,11.09) 13.46,11.8 12.47,12.79 12.38,12.79 12.11,13.06 12.11,13.64 13.29,14.83 v1(22.48,14.83) ; v1(74.88,16.69) 74.88,10.68 76.9,8.67 v1(76.91,8.67) ; v1(95.89,16.66) 95.89,9.2 v1(95.36,8.67) ; v1(13.46,20.89) 12.9,20.89 12.63,21.16 12.63,22.37 13.26,22.99 13.26,23.48 10.03,26.7 v1(8.76,26.7) ; v1(72.03,8.67) 70.63,10.06 70.63,14.49 70.01,15.11 v1(70.01,16.24) ; v1(46.19,32.71) 45.65,33.25 43.1,33.25 39.77,29.92 v1(39.77,27.25) ; v1(80.08,16.68) 80.08,10.64 v1(82.06,8.67) ; v1(67.01,8.67) 64.86,10.81 v1(64.86,16.31) 65.42,15.74 ; v1(35.25,32.63) 34.66,33.22 32.22,33.22 28.83,29.83 v1(28.83,27.12) ; v1(22.62,26.68) 19.78,23.83 14.97,23.83 v1(13.46,22.31)
  In2.Cu w0.5: v1(54.51,39.24) v1(54.51,37.54) ; v1(16.43,39.24) v1(16.43,37.37) ; v1(38.73,39.24) 38.73,37.44 v1(38.76,37.42) ; v1(45.03,39.24) v1(45.03,37.09) 45.03,37.02 ; v1(61.56,37.49) 61.58,37.52 v1(61.58,39.24)
  Bottom w0.15: v1(84.17,22.23) 87.86,18.55 v1(87.86,16.63) ; v1(54.51,37.54) 53.72,37.54 52.54,36.36 ; v1(8.59,14.78) 12.27,11.09 v1(13.46,11.09) ; v1(95.89,16.66) 95.89,18.87 v1(92.45,22.31) ; v1(38.76,37.42) 35.25,33.91 v1(35.25,32.63) ; 53.56,37.37 53.54,37.37 52.54,36.36 ; v1(102.9,24.78) 102.69,24.56 v1(99.86,24.56) ; v1(101.56,34.59) 102.3,35.33 102.3,43.61 v1(102.73,44.05) 100.15,44.05 v1(99.95,43.85) ; v1(46.19,32.71) 46.51,33.03 46.51,36.8 46.12,37.19 45.13,37.19 v1(45.03,37.09) ; v1(51.21,27.22) 51.23,27.24 51.23,35.05 52.54,36.36
  Bottom w0.25: v1(102.9,24.78) 102.9,15.2 v1(100.4,12.7) ; v1(66.93,28.39) 70.02,31.47 72.46,31.47 73.16,30.77 v1(73.16,30.27)
  Bottom w0.5: v1(-5.39,52.71) -2.22,49.54 -2.22,39.57 -1.89,39.24 v1(16.43,39.24) v1(38.73,39.24) v1(45.03,39.24) v1(54.51,39.24) v1(61.58,39.24) 66.21,39.24 68.13,41.17 80.01,41.17 81.28,42.44 93.96,42.44 v1(94.59,41.8) 96.16,40.24 96.16,30.22 96.18,30.19 96.18,28.98 95.21,28 95.21,27.52 95.81,26.92 v1(99.26,26.92) 99.33,26.92 ; v1(95.36,8.67) v1(88.51,8.67) v1(82.06,8.67) v1(76.91,8.67) v1(72.03,8.67) v1(67.01,8.67) 62.23,8.67 61.56,9.34 61.56,14.84 61.68,14.97 61.68,18.48 61.56,18.61 v1(61.56,30.47) v1(61.56,37.49) ; v1(16.43,37.37) 13.28,34.22 13.28,26.15 13.46,25.98 v1(13.46,22.31) v1(13.46,20.89) v1(13.46,11.09)
